# Altium PCB PCB2.PcbDoc
Units mil, origin at the board's own origin, x right, y up, seen from the top; angles counter-clockwise.
Board outline 6705.03 x 2770.03 mil, 2 copper layers (Top Layer, Bottom Layer); 30 components, 56 nets, 188 pads, 37 vias.
Unrouted connection lines stored in the file: 2.
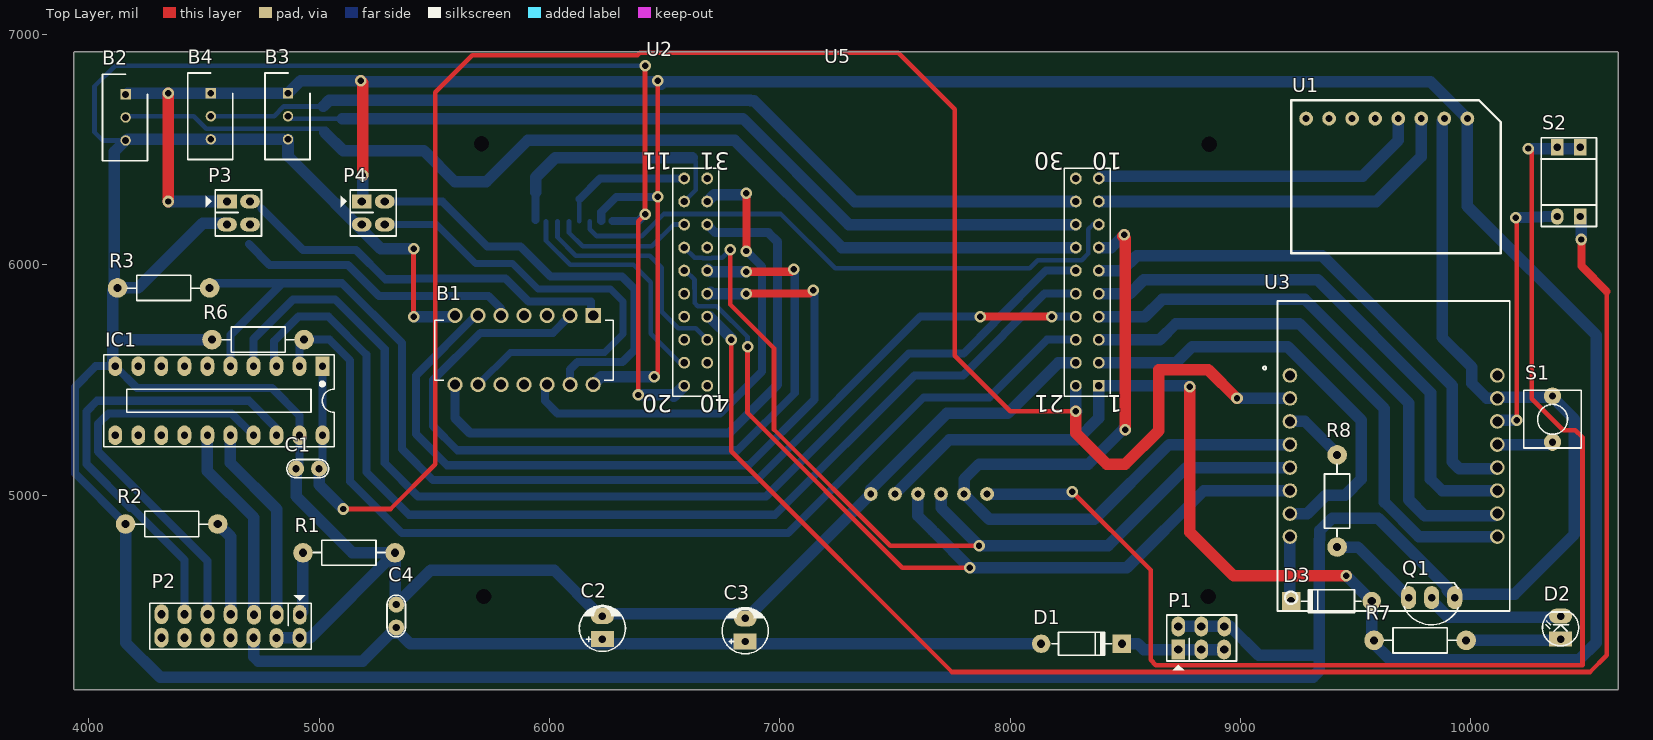
[diagram p0: Top Layer view]
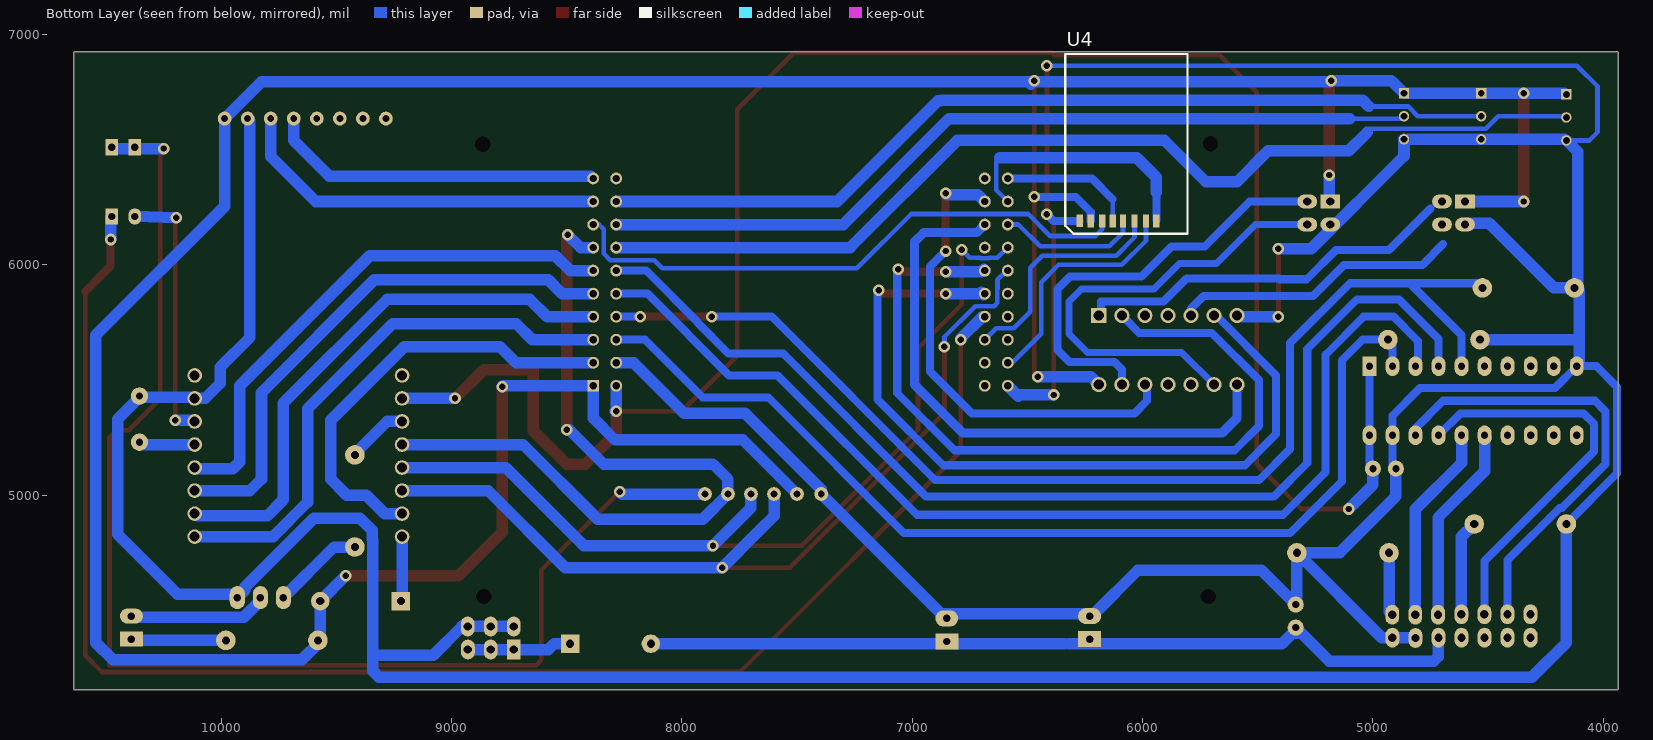
[diagram p1: Bottom Layer view, seen from below]
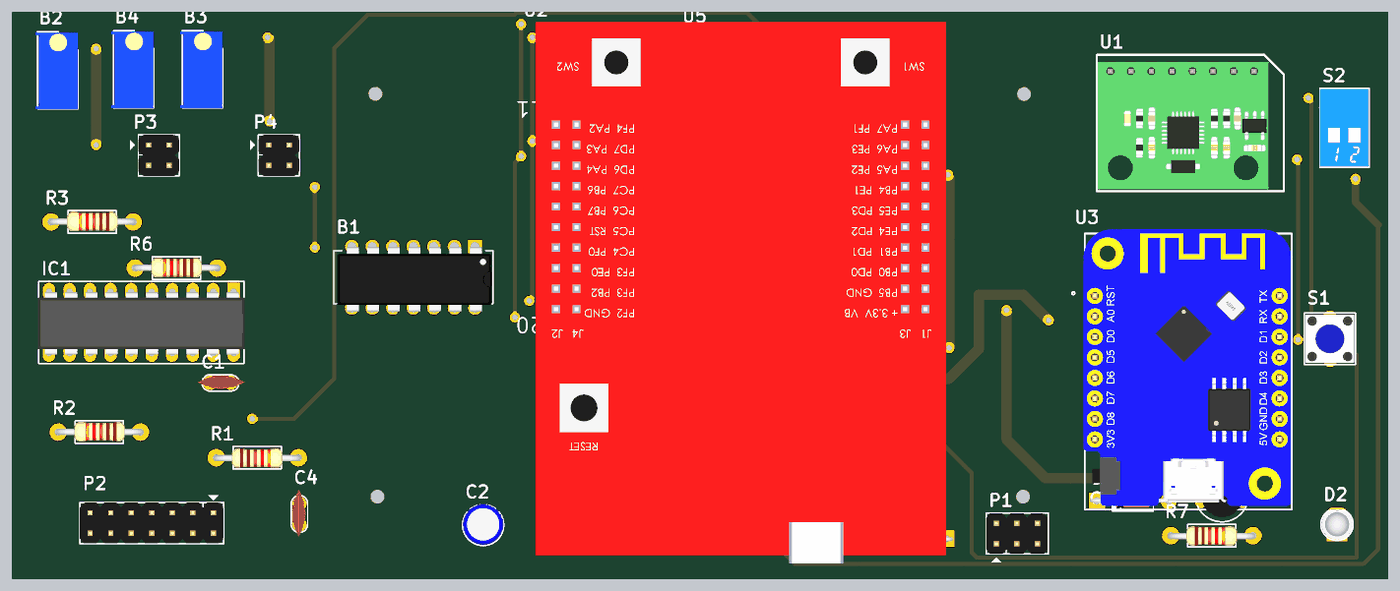
[diagram p2: 3D render of the assembled board from above, using the file's embedded part models]

## Layer stack, top to bottom
Top Solder: solder mask 0.4, Solder Resist, Dk 3.5
Top Layer: signal copper 1.4
Dielectric 1: dielectric 12.6, FR-4, Dk 4.8
Bottom Layer: signal copper 1.4
Bottom Solder: solder mask 0.4, Solder Resist, Dk 3.5

## Board outline
3940,4154.98 cw(c3940,4160) 3934.99,4160 3934.99,6920 cw(c3940,6920) 3940,6925.02 10635,6925.02 cw(c10635,6920) 10640.01,6920 10640.01,4160 cw(c10635,4160) 10632.5,4155.65 cw(c10630,4160) 10630,4154.98

## Design rules (kind name [scope] priority, off if disabled: settings)
Clearance [All] p1: gap=10 ignorepadtopadclearanceinfootprint=FALSE except(0: Arc-Hole Track-Hole SMDPad-Hole THPad-Hole Via-Hole Fill-Hole Poly-Hole Region-Hole Text-Hole; 20: Arc-Arc Arc-Via Arc-Fill Arc-Region Arc-Text Track-Via Track-Fill Track-Region Via-Via Poly-Region Poly-Text; 30: Arc-Poly Track-Poly SMDPad-Poly THPad-Poly Via-Poly Fill-Poly Poly-Poly)
Height [All] p1: minheight=0 maxheight=1968.5 prefheight=492.13
PlaneConnect [All] p1: planeconnectstyle=Direct reliefexpansion=20 reliefentries=4 reliefconductorwidth=10 reliefairgap=10
PolygonConnect [All] p1: connectstyle=Direct reliefconductorwidth=10 reliefentries=4 polygonreliefangle="90 Angle" airgapwidth=10
RoutingVias [All] p1: holewidth=28 width=50 viastyle="Through Hole" minholewidth=28 minwidth=50 maxholewidth=28 maxwidth=50
SolderMaskExpansion [All] p1: expansion=4
Width [All] p1: maxlimit=50 minlimit=20 preferedwidth=35
28 further rules are at their usual default settings.

## Components (designator, comment, footprint, x,y, rotation, side; value= is the part's Value field where it differs from the comment)
B1 "SN74HC14N" DIP254P762X508-14 5590,5480 r270 top
B2 "3296W-1-103LF" SHDR3W54P0X254_1X3_953X483X1155P 4160,6740 r90 top
B3 "3296W-1-103LF" SHDR3W54P0X254_1X3_953X483X1155P 4865,6745 r90 top
B4 "3296W-1-103LF" SHDR3W54P0X254_1X3_953X483X1155P 4530,6745 r90 top
C1 "Cap Non-Pol" CN1 4900,5115 r0 top
C2 "Cap Pol" CP1/2 6230,4375 r90 top
C3 "Cap Pol" CP1/2 6850,4365 r90 top
C4 "Cap Non-Pol" CN1 5335,4425 r90 top
D1 "Diode" D1A 8135,4355 r180 top
D2 "LED" LED-3mm 10390,4375 r90 top
D3 "Diode" D1A 9570,4540 r0 top
IC1 "74245" DIP20 5015,5560 r180 top
P1 "Header 3X2" JP3x2 8830,4380 r0 top
P2 "Header 7X2" JP7X2 4915.5,4481.5 r180 top
P3 "Header 2X2" JP2X2 4600,6275 r270 top
P4 "Header 2X2" JP2X2 5185,6275 r270 top
Q1 "C1815" QTO-92 9830,4555 r180 top
R1 "RESISTOR" "RES 1/2W" 5330,4750 r180 top
R2 "RESISTOR" "RES 1/2W" 4160,4875 r0 top
R3 "RESISTOR" "RES 1/2W" 4125,5900 r0 top
R6 "RESISTOR" "RES 1/2W" 4535,5675 r0 top
R7 "RESISTOR" "RES 1/2W" 9980,4370 r180 top
R8 "RESISTOR" "RES 1/2W" 9420,5175 r270 top
S1 "Tact SW - 2Pin" SW2 10355,5230 r90 top
S2 "SW DIP-2" DIPSWITCH2 10375,6210 r0 top
U1 "MPU6050_GY521" MPU6050_GY521 10070,5275 r270 top
U2 "TM4C123GXL" EK-TM4C123GXL 7495,5945 r180 top
U3 "D1_Mini" D1_Mini 9685,5155 r0 top
U4 "CC2500_Module" CC2500_module 5920,6500 r90 bottom
U5 "SD_Card_Reader" SD_Card_Reader 7810,4755 r270 top

## Footprints (in the part's own frame and the unit in brackets; to place one, negate y for a bottom-side part, rotate by r counter-clockwise, add the part's x,y. Pads: shape width x height; smd on the part's side, far side on the other; paste and mask are expansions set on the pad)
CC2500_module [mil]
  rect 55.12x27.56 smd: 0(-309,353) 1(-310,305) 2(-310,255) 3(-310,210) 4(-310,165) 5(-310,115) 6(-310,65) 7(-310,20)
  silkscreen extent -365,-115 415,415, body extent -310,-101 399,371, height 67
CN1 [mil]
  round 70 hole 31: 1(0,0) 2(100,0)
  silkscreen extent -40,-40 141,40, body extent -60,-30 170,37, height 265
CP1/2 [mil] "Tu hoa < 22uF/16>50V"
  rect 70x100 hole 32: 1(0,0)
  oval 70x100 hole 32: 2(100,0)
  silkscreen extent -53,-100 146,100, body extent -49,-99 149,99, height 287
D1_Mini [mm]
  round 1.61 hole 1.11: 1(-11.938,9.271) 2(-11.938,6.731) 3(-11.938,4.191) 4(-11.938,1.651) 5(-11.938,-0.889) 6(-11.938,-3.429) 7(-11.938,-5.969) 8(-11.938,-8.509) 9(10.922,-8.509) 10(10.922,-5.969) 11(10.922,-3.429) 12(10.922,-0.889) 13(10.922,1.651) 14(10.922,4.191) 15(10.922,6.731) 16(10.922,9.271)
  silkscreen extent -14.91,-16.72 12.29,17.48, body extent -13.48,-16.24 12.22,18.01, height 14.47
D1A [mil] "Diode 1N4007, W 100mil, L 350mil"
  round 80 hole 35: 1(0,0)
  rect 80x80 hole 35: 2(-350,0)
  silkscreen extent -305,-50 -45,50, body extent -386,-33 34,36, height 84
DIP20 [mil] "DIP 20, 20 PIN, W 300mil, Pin to pin 100mil"
  rect 60x85 hole 31: 1(0,0)
  oval 60x85 hole 31: 2(100,0) 3(200,0) 4(300,0) 5(400,0) 6(500,0) 7(600,0) 8(700,0) 9(800,0) 10(900,0) 11(900,300) 12(800,300) 13(700,300) 14(600,300) 15(500,300) 16(400,300) 17(300,300) 18(200,300) 19(100,300) 20(0,300)
  silkscreen extent -50,-50 950,350, body extent -54,2 954,308, height 177
DIP254P762X508-14 [mil]
  rect 66x66 / inner round 66 / far side rect 66x66 hole 44: 1(-300,600)
  round 66 hole 44: 2(-300,500) 3(-300,400) 4(-300,300) 5(-300,200) 6(-300,100) 7(-300,0) 8(0,0) 9(0,100) 10(0,200) 11(0,300) 12(0,400) 13(0,500) 14(0,600)
  silkscreen extent -280,-88 -20,688, body extent -297,-70 17,680, height 178
DIPSWITCH2 [mm]
  oval 1.4x1.8 hole 0.8: 1(0,0)
  rect 1.4x1.8 hole 0.8: 2(2.54,0) 3(2.54,7.62) 4(0,7.62)
  silkscreen extent -1.78,-1.12 4.32,8.69, body extent -1.77,-1.02 4.31,8.58, height 6.3
EK-TM4C123GXL [mil]
  rect 51.5x51.5 hole 31.5: 1(-890,470)
  round 51.5 hole 31.5: 2(-890,370) 3(-890,270) 4(-890,170) 5(-890,70) 6(-890,-30) 7(-890,-130) 8(-890,-230) 9(-890,-330) 10(-890,-430) 11(910,-430) 12(910,-330) 13(910,-230) 14(910,-130) 15(910,-30) 16(910,70) 17(910,170) 18(910,270) 19(910,370) 20(910,470) 21(-790,470) 22(-790,370) 23(-790,270) 24(-790,170) 25(-790,70) 26(-790,-30) 27(-790,-130) 28(-790,-230) 29(-790,-330) 30(-790,-430) 31(810,-430) 32(810,-330) 33(810,-230) 34(810,-130) 35(810,-30) 36(810,70) 37(810,170) 38(810,270) 39(810,370) 40(810,470)
  silkscreen extent -940,-475 960,515, body extent -990,-930 1010,1710, height 682
JP2X2 [mil]
  rect 60x86 hole 36: 1(0,0)
  oval 60x86 hole 36: 2(100,0) 3(100,100) 4(0,100)
  silkscreen extent -50,-91 150,150, body extent -50,-50 150,150, height 335
JP3x2 [mil] "Connector 3x2"
  rect 60x86 hole 36: 1(-100,-50)
  oval 60x86 hole 36: 2(0,-50) 3(99,-50) 4(-100,50) 5(0,50) 6(100,50)
  silkscreen extent -150,-141 153,100, body extent -150,-100 150,100, height 335
JP7X2 [mil]
  oval 60x86 hole 36: 1(-0.5,0.5) 2(99.5,0.5) 3(198.5,0.5) 4(299.5,-1.5) 5(399.5,-1.5) 6(499.5,-1.5) 7(599.5,-1.5) 8(0,100) 9(100.5,101.5) 10(200,100) 11(300,100) 12(400,100) 13(500,100) 14(600,100)
  silkscreen extent -51,-85 650,151, body extent -50,-50 650,150, height 335
LED-3mm [mil] "LED 2 PIN, 3ly Only colour"
  rect 65x100 hole 32: 1(0,0)
  oval 65x100 hole 32: 2(100,0)
  silkscreen extent -29,-78 118,79, body extent -25,-75 113,75, height 217
MPU6050_GY521 [mil]
  round 60 hole 30: 0(-1360,-85) 1(-1360,-185) 2(-1360,-285) 3(-1360,-385) 4(-1360,-485) 5(-1360,-585) 6(-1360,-685) 7(-1360,-785)
  silkscreen extent -1440,-850 -775,60, body extent -1410,-846 -785,-15, height 470
QTO-92 [mil] "TO-92"
  oval 66x100 hole 32: 1(-100,0) 2(0,0) 3(100,0)
  silkscreen extent -117,-65 120,118, body extent -109,-66 109,95, height 245
"RES 1/2W" [mil] "R 1/2W, 2 pin, 300mil"
  round 85 hole 35: 1(0,0) 2(400,0)
  silkscreen extent 42,-55 356,55, body extent -12,-45 414,49, height 91
SD_Card_Reader [mil]
  round 60 hole 30: 0(-250,90) 1(-250,-10) 2(-250,-110) 3(-250,-210) 4(-250,-310) 5(-250,-415)
  body extent -2091,-627 -245,357, height 252
SHDR3W54P0X254_1X3_953X483X1155P [mm]
  rect 1.15x1.15 / inner round 1.15 / far side rect 1.15x1.15 hole 0.75: 1(0,0)
  round 1.15 hole 0.75: 2(-2.54,0) 3(-5.08,0)
  silkscreen extent -7.31,-2.41 2.22,2.55, body extent -7.37,-2.41 2.16,2.81, height 11.18
SW2 [mil] "SW button 2pin, 250x 250 mil"
  round 75 hole 31: 1(0,0) 2(200,0)
  silkscreen extent -25,-125 225,125, body extent -20,-120 220,120, height 165

## Part data
B1: "Hex invertor,SN74HC14N DIP14 2-6V 25pcs"
B2 B3 B4: "Bourns 3296W Series 25-Turn Through Hole Cermet Trimmer Resistor with Pin Terminations, 10000???? ????10% 1/2W ????100ppm/????C"
C1 C4: "Capacitor"
C2 C3: "Polarized Capacitor (Radial)"
D1 D3: "Default Diode"
IC1: library part 74245_1, "Octal bus tranceiver; 3-state"
P1: "Header, 3-Pin, Dual row"
P2: "Header, 7-Pin, Dual row"
P3 P4: "Header, 2-Pin, Dual row"
Q1: "NPN Bipolar Transistor"
R1 R2 R3 R6 R7 R8: "Resistor"
S1: "Switch button 2 pin"
S2: "DIP Switch, 2 Position, SPST"
U2: library part EK-TM4C123GXL

## Free pads (board coordinates)
  round 60 hole 66.93: 2(5705,6525) 2(5715,4560) 2(8860,4560) 2(8865,6523.33)

## Via types
v1: diameter 50, hole 28, Top Layer to Bottom Layer, 37 vias

## Nets (pads, with @x,y where several pads share a name; then routed paths per layer and width w, separated by ;. In a path a pad name is that pad's centre, name@x,y a point inside that pad or via, vN(x,y) a via of type N, cw(c..) or ccw(c..) an arc to the next point about the centre after c; other vN are vias at no path point)
3V3: B1.14 B2.1 B3.1 B4.1 D3.1 P3.1 P4.1 R7.2 U1.0 U2.1 U4.1 U5.4 | length 15876.4
  Top Layer w20: v1(6455,5515) 6470,5530 v1(6470,6295) v1(6470,6800)
  Top Layer w50: v1(4345,6275) v1(4345,6745) ; v1(5180,6800) 5190,6790 v1(5190,6390) ; v1(8780,5470) 8780,4840 8970,4650 v1(9460,4650)
  Bottom Layer w35: U4.1 6225,6230 6290,6295 v1(6470,6295)
  Bottom Layer w50: B2.1@4170,6745 v1(4345,6745) B4.1 B3.1 4920,6800 v1(5180,6800) 5185,6795 6465,6795 v1(6470,6800) 6485.56,6785 6495.56,6795 9825,6795 U1.0 9985,6255 10545,5695 10545,4360 10470,4285 9650,4285 9570,4365 D3.1 v1(9460,4650) ; v1(4345,6275) P3.1@4595,6275 ; P4.1 5190,6280 v1(5190,6390) ; B1.14 6225,5515 v1(6455,5515) ; U5.4 7735,5240 8290,5240 8385,5335 U2.1 8775,5475 v1(8780,5470)
5V: C1.2 IC1.1 IC1.20 U2.21 U3.2 | length 8461.6
  Top Layer w20: v1(5105,4940) 5310,4940 5505,5135 5505,6750 5665,6910 6382.22,6910 6392.22,6920 7515,6920 7760,6675 7760,5605 8000,5365 v1(8285,5365)
  Top Layer w50: v1(8285,5365) 8285,5270 8420,5135 8500,5135 8645,5280 8645,5545 8860,5545 v1(8985,5420)
  Bottom Layer w35: C1.2 5015,5130 IC1.20 IC1.1
  Bottom Layer w50: C1.2 5000,5045 v1(5105,4940) ; v1(8285,5365) 8290,5365 8285,5370 U2.21 ; v1(8985,5420) U3.2
5VS: C2.1 C3.1 C4.1 D1.1 P2.10 | length 3569.1
  Bottom Layer w50: P2.10 4715.5,4299.5 4735,4280 5190,4280 5310,4400 C4.1@5330,4400 ; C4.1 5335,4415 5395,4355 6320,4355 ; 6340,4355 D1.1
ADC0: B2.2 U2.27 | length 4499
  Bottom Layer w20: B2.2@4170,6645 4455,6645 4510,6590 5030,6590
  Bottom Layer w50: 5025,6575 5105,6495 5455,6495 5590,6360 5725,6360 5905,6540 6805,6540 7270,6075 U2.27
ADC1: B3.2 U2.28 | length 3614.7
  Bottom Layer w20: B3.2 4875,6635 5100,6635
  Bottom Layer w50: 5100,6635 6840,6635 7300,6175 U2.28
ADC2: B4.2 U2.29 | length 3966
  Bottom Layer w20: B4.2 4804.7,6645 4847.34,6687.64 5017.64,6687.64
  Bottom Layer w50: 5017.64,6687.64 5044.65,6714.65 6870.99,6714.65 6873.45,6712.19 6888.08,6712.19 7325.28,6275 U2.29
CCCSN: U2.12 U4.7 | length 1117.1
  Bottom Layer w20: U2.12 6635,6325 6635,6450 6620,6465
  Bottom Layer w35: U4.7@5940,6195 5940,6315
  Bottom Layer w50: 5940,6315 5940,6380 6025,6465 6620,6465
CCGDO0: U2.19 U4.6 | length 1036.3
  Bottom Layer w20: U4.6 5985,6105 6090,6000 6365,6000 6440,5925 6440,5700 6565,5575 U2.19
CCGDO2: U2.38 U4.5 | length 1015.6
  Bottom Layer w20: U4.5 6035,6120 6115,6040 6435,6040 6488,5987 6488,5797 6560,5725 6635,5725 U2.38
CCSCLK: U2.11 U4.3 | length 587.3
  Bottom Layer w20: U4.3 6130,6285
  Bottom Layer w35: 6130,6285 6220,6375 U2.11
CCSI: U2.8 U4.2 | length 2534.9
  Bottom Layer w20: U4.2 6175,6155 6205,6125 6400,6125 6495.75,6220.75 7004.25,6220.75 7240,5985 8085,5985 8120.75,6020.75 8310.75,6020.75 8339.25,6049.25 8339.25,6094.7 8340,6095.45 8340,6155 8360,6175 U2.8
CCSO: U2.13 U4.4 | length 614.2
  Bottom Layer w20: U4.4 6085,6140 6145,6080 6445,6080 6540,6175 U2.13
ECD0: B1.1 P3.4 | length 1669.8
  Bottom Layer w35: 4750,6245 4930,6065 5160,6065 5287.5,5937.5 5405.89,5937.5 5408.39,5940 5810,5940 5909.5,5840.5 6115.06,5840.5 6115.56,5840 6180,5840 6180,5780 B1.1
ECD0IN: B1.2 U2.35 | length 3551.7
  Top Layer w35: v1(6855,5970) 7050,5970 v1(7060,5980)
  Bottom Layer w35: B1.2 6015,5705 5700,5705 5495,5500 5495,5300 5600,5195 6817.18,5195 7065,5442.82 7065,5975 v1(7060,5980)
  Bottom Layer w50: U2.35 6690,5980 6700,5970 v1(6855,5970)
ECD1: B1.5 P3.3 | length 1241
  Bottom Layer w35: 4695,6090 4785,6000 5125,6000 5260,5865 5735,5865 5790,5810 B1.5
ECD1IN: B1.6 U2.36 | length 3488.2
  Top Layer w35: v1(6855,5875) 7130,5875 v1(7145,5890)
  Bottom Layer w35: B1.6 5680,5780 5420,5520 5420,5265 5555,5130 6865,5130 7150,5415 7150,5885 v1(7145,5890)
  Bottom Layer w50: U2.36 6690,5870 6700,5880 6705,5875 v1(6855,5875)
ECD2: B1.9 P4.3 | length 2039.9
  Bottom Layer w30: P4.3@5280,6175 P4.3 5510,6175 5680,6005 5840,6005 5950,5895 6265,5895 6320,5840 6320,5700 6240,5620 5830,5620 B1.9
ECD2IN: B1.8 U2.33 | length 2615
  Bottom Layer w40: B1.8 5590,5335 5655,5270 6780,5270 6990,5480 6990,6100 6950,6140 6720,6140 U2.33
ECD3: B1.13 P4.4 | length 1892.6
  Bottom Layer w35: P4.4@5280,6275 P4.4 5535,6275 5730,6080 5875,6080 6005,5950 6315,5950 6370,5895 6370,5630 6317.5,5577.5 6122.5,5577.5 6090,5545 B1.13
ECD3IN: B1.12 U2.32 | length 2095.8
  Top Layer w35: v1(6855,6060) v1(6855,6310)
  Bottom Layer w35: B1.12@5980,5480 5980,5410 6035,5355 6740,5355 6922.5,5537.5 6922.5,5992.5 v1(6855,6060)
  Bottom Layer w50: U2.32 6715,6305 6850,6305 v1(6855,6310)
ESPLED: R8.1 U3.3 | length 288
  Bottom Layer w50: U3.3 9280,5320 9410,5190 9410,5165 R8.1
ESPMISO: U2.14 U3.5 U5.2 | length 3997
  Top Layer w20: v1(6785,6065) 6780,6070 6775,6070 6785,6060 6785,5827.78 6975,5637.78 6975,5285 7480,4780 v1(7865,4780)
  Bottom Layer w20: U2.14 6630,6030 6665.3,6030 6666.05,6029.25 6703.95,6029.25 6704.7,6030 6750,6030 v1(6785,6065)
  Bottom Layer w50: U5.2 7700,4945 v1(7865,4780) 8425,4780 8765,5120 U3.5
ESPMOSI: U2.15 U3.6 U5.3 | length 3968.3
  Top Layer w20: v1(6860,5645) 6860,5357.57 7532.57,4685 v1(7825,4685)
  Bottom Layer w20: U2.15 6590,5975 6630,5935 6630,5895.45 6630.75,5894.7 6630.75,5834.25 6644.25,5820.75 6727.03,5820.75 6860,5687.78 v1(6860,5645) ; 7665,4845 7670,4840
  Bottom Layer w50: U5.3 7600,4910 7665,4845 ; 7670,4840 v1(7825,4685) 8506.27,4685 8841.27,5020 U3.6
ESPRX: U2.4 U3.10 | length 2400.6
  Bottom Layer w50: U2.4 8585,5775 8660,5850 9280,5850 9730,5400 9730,4980 9800,4910 10105,4910 U3.10
ESPSCK: U2.7 U3.4 U5.1 | length 3433.2
  Top Layer w50: v1(8495,6130) 8490,6125 8500,6115 v1(8500,5285)
  Bottom Layer w50: U2.7 8440,6075 v1(8495,6130) ; v1(8500,5285) 8490,5285 8340,5135 7865,5135 7800,5070 U5.1 7910,4895 8365,4895 8690,5220 U3.4
ESPSCL: U2.5 U3.11 | length 2353.5
  Bottom Layer w50: U2.5 8520,5875 8580,5935 9335,5935 9825,5445 9825,5070 9875,5020 U3.11
ESPSDA: U2.6 U3.12 | length 2318.4
  Bottom Layer w50: U2.6 8485,5975 8550,6040 9355,6040 9920,5475 9920,5145 9950,5115 U3.12@10100,5115
ESPSDCS: S2.1 U3.14 | length 1149.2
  Top Layer w20: v1(10195,6205) 10200,6200 v1(10200,5325)
  Bottom Layer w50: U3.14 10120,5325 v1(10200,5325) ; v1(10195,6205) S2.1
ESPSS: U2.2 U3.7 | length 1928.8
  Bottom Layer w50: U2.2 8720,5575 8790,5645 9205.15,5645 9525,5325.15 9525,5070 9455,5000 9370,5000 9290,4920 U3.7
ESPTX: U2.3 U3.9 | length 2379.4
  Bottom Layer w50: U2.3 8650,5675 8720,5745 9255,5745 9625,5375 9625,4970 9775,4820 U3.9
FAULT: P2.7
GND: B1.7 B2.3 B3.3 B4.3 C1.1 C2.2 C3.2 C4.2 IC1.10 IC1.19 P1.4 P1.5 P1.6 P2.8 P2.9 P3.2 P4.2 Q1.1 R1.1 R2.1 R3.1 R6.1 S1.2 U1.1 U2.20 U2.22 U3.15 U4.0 U5.5 | length 26359
  Top Layer w20: v1(5410,5775) v1(5410,6070) ; v1(6385,5435) 6385,6190 v1(6415,6220) v1(6415,6865)
  Bottom Layer w20: B2.3 4060,6540 4025,6575 4025,6775 4115,6865 v1(6415,6865)
  Bottom Layer w35: R2.1 3940,5095 3940,5470 4030,5560 IC1.10 4210,5465 4795,5465 4915,5345 IC1.19 4915,5130 C1.1 ; U4.0 6386,6191 v1(6415,6220)
  Bottom Layer w50: IC1.10 4105,5570 4105,5685 ; R2.1 4160,4360 4310,4210 9315,4210 9342.5,4237.5 9342.5,4305 ; B2.3 4110,6490 4110,5915 R3.1@4120,5905 ; B2.3@4170,6545 B4.3 B3.3@4845,6545 ; R6.1 4115,5675 4105,5685 ; P3.2@4595,6180 4495,6180 4215,5900 R3.1 ; P2.9 4816.5,4381.5 P2.8 4961.5,4381.5 R1.1 ; B3.3 4865,6472.5 5267.5,6070 v1(5410,6070) ; C1.1 4900,4995 5145,4750 R1.1 ; C4.2@5330,4535 R1.1 ; C4.2 5485,4675 6020,4675 6210,4485 6875,4485 U5.5 7395,5025 7725,5355 7990,5355 8210,5575 U2.22 ; v1(5410,5775) 5585,5775 B1.7 ; v1(6385,5435) 6535,5435 6540,5430 U2.20 ; P1.4 P1.5 P1.6 8955,4430 9080,4305 9342.5,4305 ; U1.1 9875,6625 9875,5685 10005,5555 10005,5485 10070,5420 U3.15 ; U3.15@10115,5425 10355,5425 10450,5330 10450,4830 10190,4570 9945,4570 Q1.1 9898,4587 9898,4600.17 9598.17,4900 9397.5,4900 9345,4847.5 9345,4809.6 9342.5,4807.1 9342.5,4305 ; 4105,5685 4105,5890 R3.1@4120,5905 ; R3.1@4120,5905 4125,5910 R3.1 ; R3.1@4120,5905 R3.1
GY521SCL: U1.2 U2.9 | length 1645.8
  Bottom Layer w50: U2.9 9590,6275 9785,6470 U1.2
GY521SDA: U1.3 U2.10 | length 1463.3
  Bottom Layer w50: U2.10 8395,6385 9530,6385 9685,6540 U1.3
M1: P2.11
M2: P2.12
M3: P2.13
NetD1_2: D1.2 P1.1 P1.2 P1.3 | length 454.4
  Bottom Layer w50: D1.2 8555,4355 8580,4330 P1.1 P1.2 P1.3
NetD2_1: D2.1 R7.1 | length 400
  Bottom Layer w50: R7.1@9990,4370 D2.1@10390,4370
NetD2_2: D2.2 Q1.2 | length 607.9
  Bottom Layer w50: Q1.2 9830,4541.83 9901.83,4470 10390,4470 D2.2
NetD3_2: D3.2 U3.8 | length 282.1
  Bottom Layer w50: U3.8 9215,4545 D3.2
NetQ1_3: Q1.3 R8.2 | length 401.1
  Bottom Layer w50: R8.2 9510,4775 Q1.3
NetS1_1: S1.1 U3.13 | length 234.1
  Bottom Layer w50: U3.13 10335,5220 S1.1@10345,5230
OTW: P2.14
PWMA: IC1.18 P2.6 | length 1986.3
  Bottom Layer w35: P2.6 4416,4717.99 4188.99,4945 4180,4945 3990,5135 3990,5363.64 4036.36,5410 4695,5410 4815,5290 IC1.18
PWMAOUT: IC1.2 R6.2 U2.23 | length 4476.7
  Bottom Layer w35: IC1.2 4915,5655 R6.2 5045,5675 5135,5585 5135,5060 5360,4835 7035,4835 7625,5425 7910,5425 8160,5675 U2.23
PWMB: P2.4 R2.2 | length 408.1
  Bottom Layer w50: R2.2@4565,4870 4616,4819 P2.4
PWMC: IC1.15 P2.3 | length 874
  Bottom Layer w50: IC1.15@4507,5252 IC1.15 4515,5105 4717,4903 P2.3
PWMCOUT: IC1.5 R3.2 U2.24 | length 5120.9
  Top Layer w35: v1(7870,5775) v1(8180,5775)
  Bottom Layer w35: R3.2@4530,5915 4535,5920 5100,5920 5360,5660 5360,5200 5495,5065 6900,5065 7610,5775 v1(7870,5775) ; IC1.5 4615,5695 4835,5915 ; v1(8180,5775) U2.24
PWMD: P2.1 R1.2 | length 274.8
  Bottom Layer w50: P2.1 4930,4495 R1.2
RSTAB: IC1.17 P2.5 | length 1764.2
  Bottom Layer w35: P2.5 4516,4714 4040,5190 4040,5310 4085,5355 4620,5355 IC1.17
  Bottom Layer w50: P2.5@4511,4488 P2.5
RSTABOUT: IC1.3 U2.25 | length 4690.3
  Bottom Layer w35: IC1.3 4805,5570 4805,5670 4910,5775 5040,5775 5205,5610 5205,5100 5390,4915 6980,4915 7585,5520 7795,5520 8150,5875 U2.25
RSTCD: IC1.16 P2.2 | length 875
  Bottom Layer w35: P2.2 P2.2@4825,4490
  Bottom Layer w50: IC1.16 4615,5140 4816,4939 P2.2
RSTCDOUT: IC1.4 U2.26 | length 4811.7
  Bottom Layer w35: IC1.4 4715,5678.64 4886.36,5850 5070,5850 5285,5635 5285,5140 5430,4995 6940,4995 7560,5615 7798.39,5615 7932.5,5749.11 7932.5,5752.5 8155,5975 U2.26
SDCS: S2.3 S2.4 U5.0 | length 5727
  Top Layer w20: v1(8270,5015) 8610,4675 8610,4285 8632.5,4262.5 10485,4262.5 10485,5251.32 10453.82,5282.5 10401.18,5282.5 10265,5418.68 10265,6490 v1(10250,6505)
  Bottom Layer w50: U5.0 8260,5005 v1(8270,5015) ; v1(10250,6505) 10470,6505 S2.3
TIVASDCS: S2.2 U2.37 | length 6813.6
  Top Layer w20: v1(6790,5675) 6790,5190 7747.5,4232.5 10517.5,4232.5 10590,4305 10590,5885
  Top Layer w35: v1(10480,6110) 10480,5995 10590,5885
  Bottom Layer w50: U2.37 6695,5775 6790,5680 v1(6790,5675) ; S2.2 10480,6205 v1(10480,6110)
pads on no net: B1.3 B1.4 B1.10 B1.11 IC1.6 IC1.7 IC1.8 IC1.9 IC1.11 IC1.12 IC1.13 IC1.14 U1.4 U1.5 U1.6 U1.7 U2.16 U2.17 U2.18 U2.30 U2.31 U2.34 U2.39 U2.40 U3.1 U3.16

## Silkscreen, mask and mechanical layers (free items; w line width, h text height)
Mechanical 1:
  lines w10: 10630,4160 3930,4160 3930,6920 10635,6920 10635,4160

## Dimensions
3940,6945 to 10635,6950 on Mechanical 1
10700,6920 to 10680,4160 on Mechanical 1
3927.54,6495 to 5702.54,6505 on Mechanical 1
3930,4160 to 5715,4525 on Mechanical 1
3930,4160 to 5930,4555 on Mechanical 1
10635,6920 to 8860,6315 on Mechanical 1
10635,6920 to 8960,6525 on Mechanical 1
10635,4160 to 8860,4535 on Mechanical 1
10630,4160 to 9020,4555 on Mechanical 1
3775,6335 to 3800,4745 on Mechanical 1
3930,6920 to 5745,6525 on Mechanical 1

## Text inside footprints (layer, text, board x,y; h text height)
U2: Top Overlay "1" at 8486.79,5433.86 h73.82 r180; Top Overlay "10" at 8487.62,6486.15 h73.82 r180; Top Overlay "11" at 6532.78,6486.01 h73.82 r180; Top Overlay "20" at 6532.89,5433.62 h73.82 r180; Top Overlay "21" at 8236.08,5434.05 h73.82 r180; Top Overlay "30" at 8236.08,6485.56 h73.82 r180; Top Overlay "31" at 6783.6,6485.84 h73.82 r180; Top Overlay "40" at 6783.62,5433.76 h73.82 r180